# Altium PCB R2_EmberNet Pod Layout.PcbDoc (part 1 of 2) (continued)
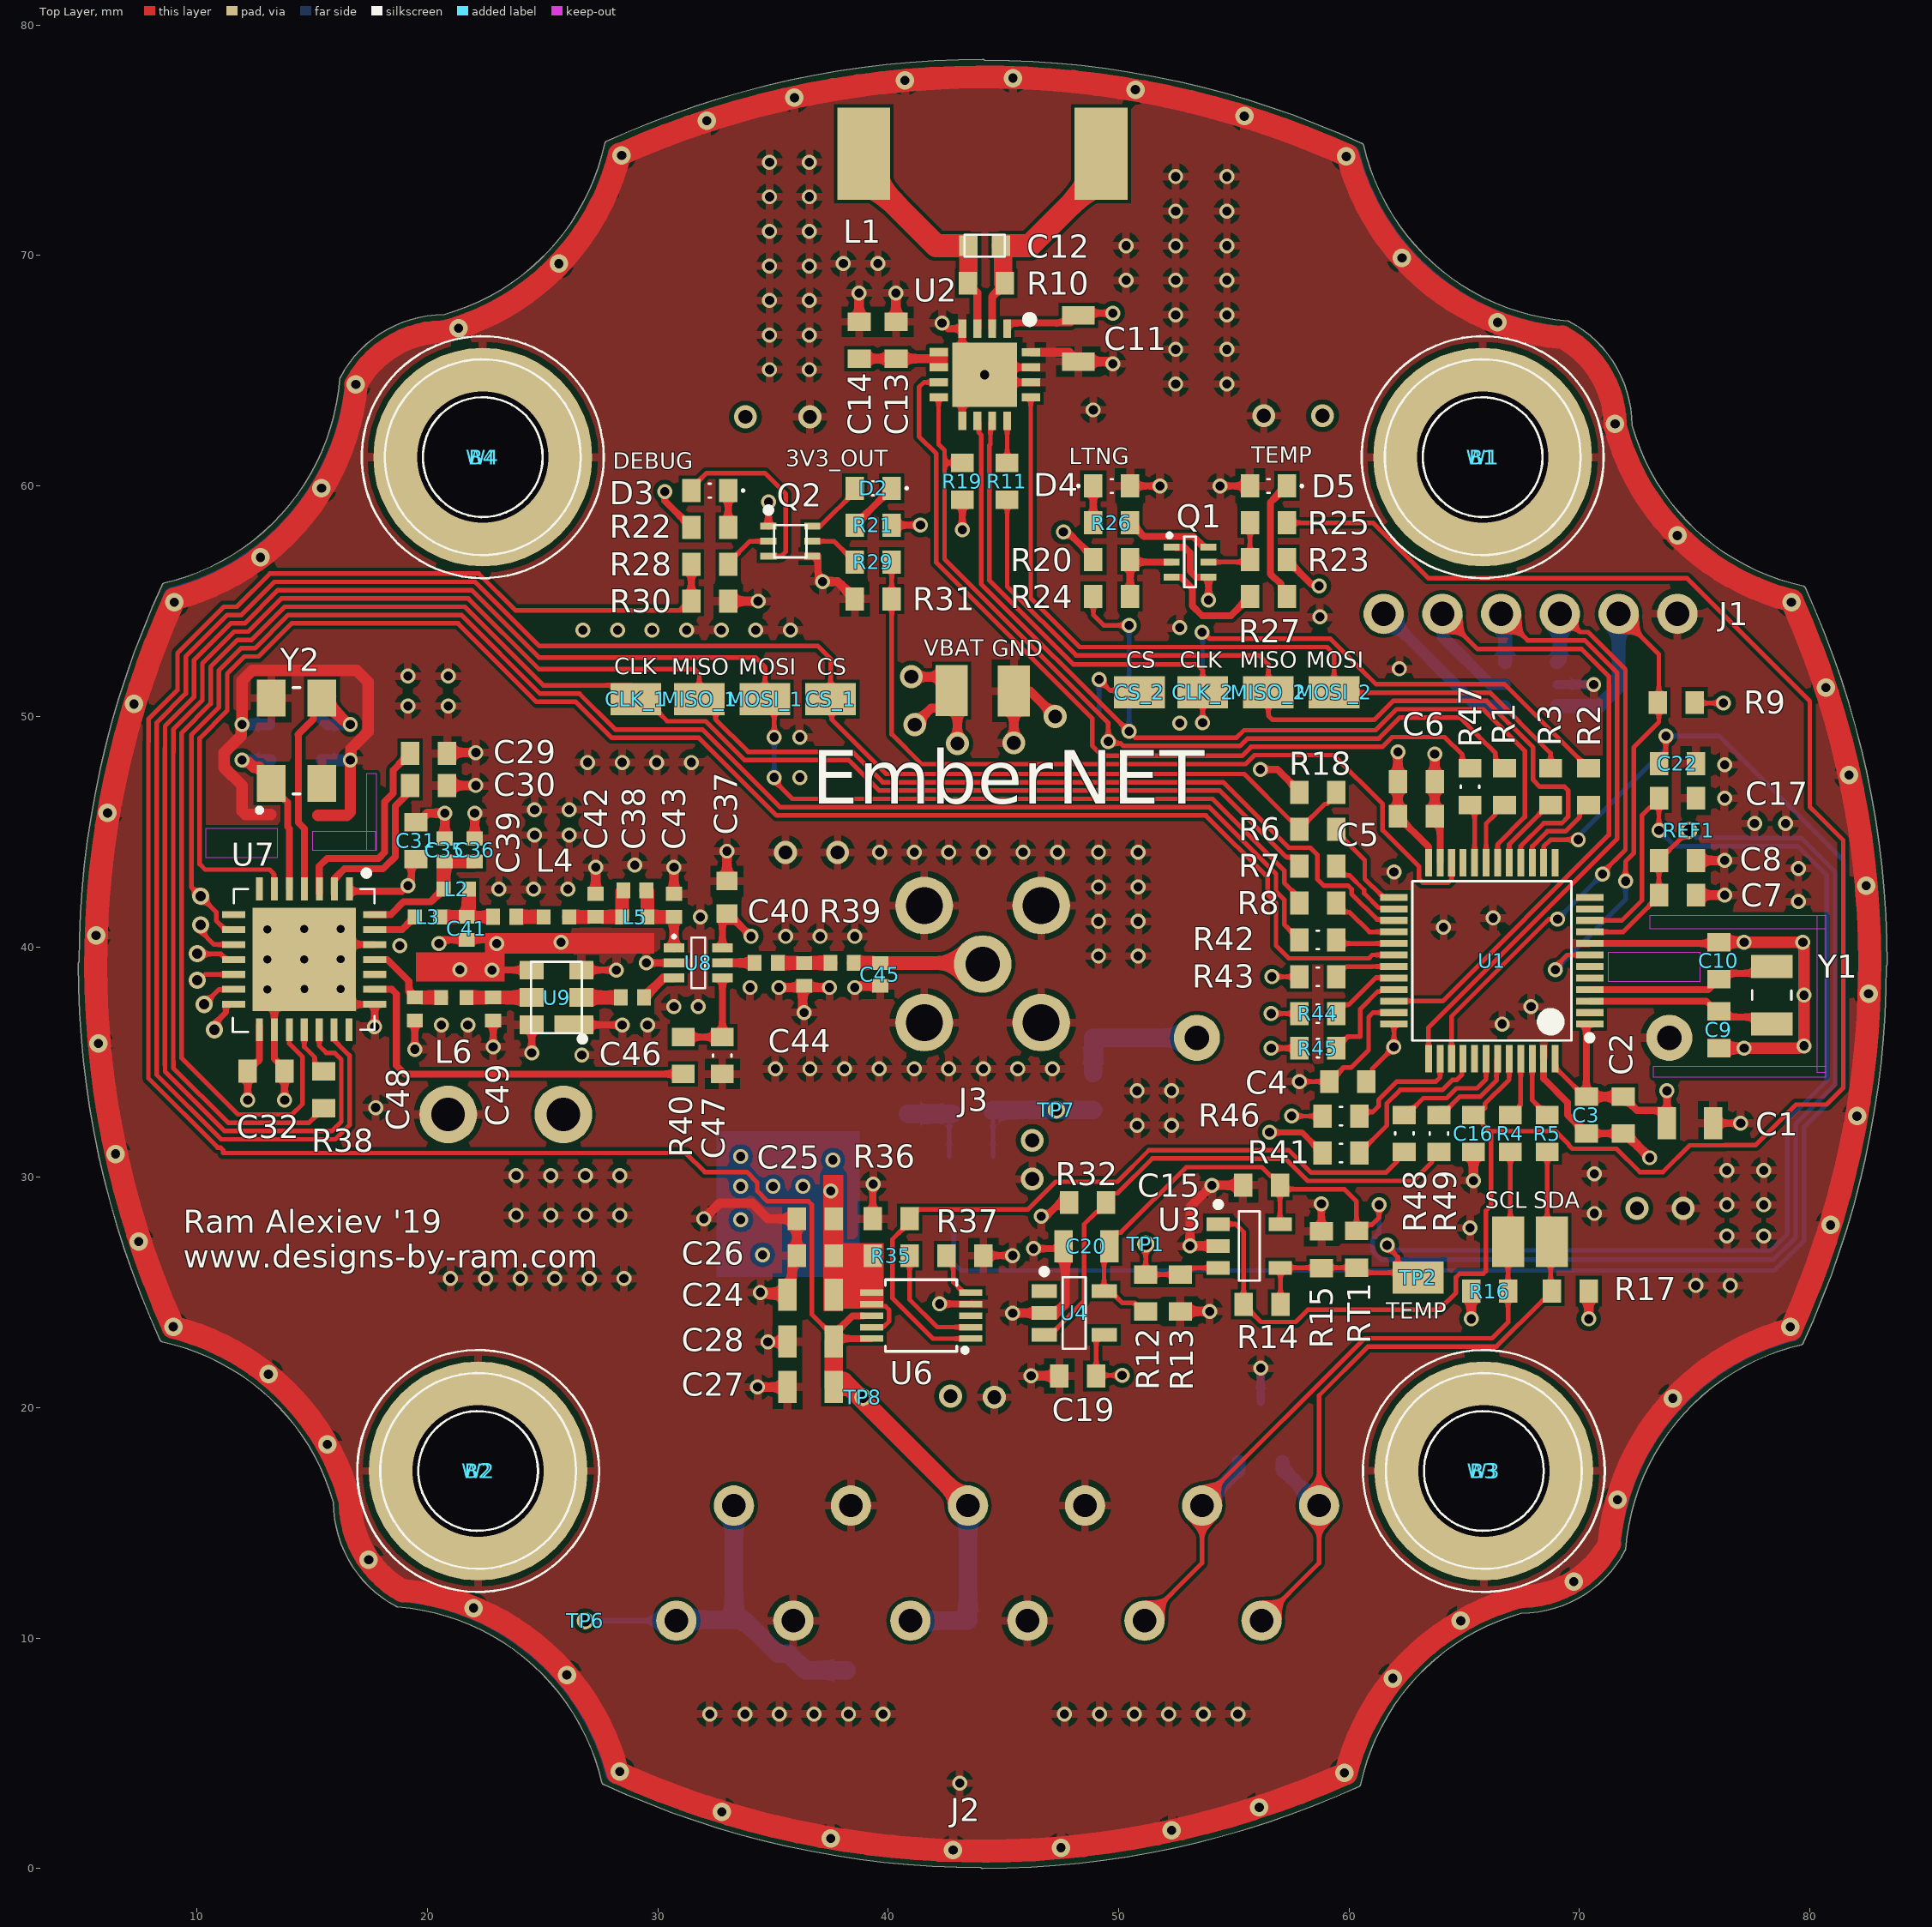
[diagram p0: Top Layer view]
## Components (designator, comment, footprint, x,y, rotation, side; value= is the part's Value field where it differs from the comment)
B1 "Screw" "M5 SHCP" 65.8,61.25 r0 top
B2 "Screw" "M5 SHCP" 22.2,17.25 r0 top
B3 "Screw" "M5 SHCP" 65.85,17.25 r0 top
B4 "Screw" "M5 SHCP" 22.4,61.25 r0 top
BAT1 "BH1000G" "24.5 COIN CELL BATTERY HOLDER" 53.4,36.05 r270 bottom
C1 "CL21A475KACLRNC" "0805 CAPACITOR" 74.8,32.345 r180 top value=4.7uF
C2 "885012106022" "0603 CAPACITOR" 71.9,32.695 r90 top value=1uF
C3 "885012206046" "0603 CAPACITOR" 70.3,32.695 r90 top value=100nF
C4 "885012206046" "0603 CAPACITOR" 59.95,34.15 r0 top value=100nF
C5 "885012206046" "0603 CAPACITOR" 62.918,45.665 r180 top value=100nF
C6 "885012206046" "0603 CAPACITOR" 62.918,47.165 r180 top value=100nF
C7 "885012106022" "0603 CAPACITOR" 74.25,42.245 r180 top value=1uF
C8 "885012206046" "0603 CAPACITOR" 74.25,43.745 r180 top value=100nF
C9 "CC0603CRNPO9BN6R8" "0603 CAPACITOR" 76.05,36.4 r90 top value=6.8pF
C10 "CC0603CRNPO9BN6R8" "0603 CAPACITOR" 76.05,39.4 r90 top value=6.8pF
C11 "TMK212BBJ106KG-T" "0805 Capacitor" 48.25,66.4 r90 top value=10uF
C12 "GRM1885C1H102JA01J" 1608[0603] 44.185,70.425 r0 top value=1nF
C13 "885012106022" "0603 CAPACITOR" 40.335,66.325 r270 top value=1uF
C14 "885012106022" "0603 CAPACITOR" 38.735,66.325 r270 top value=1uF
C15 "885012106022" "0603 CAPACITOR" 56.2,29.65 r0 top value=1uF
C16 "885012206046" "0603 CAPACITOR" 65.4,31.9 r90 top value=100nF
C17 "885012206046" "0603 CAPACITOR" 74.25,46.45 r180 top value=100nF
C18 "DB-5R5D105T" DB-5R5D105T 25.9,32.725 r180 bottom value=1F
C19 "885012206046" "0603 CAPACITOR" 48.225,21.378 r0 top value=100nF
C20 "GRM21BR61E106MA73L" "0805 CAPACITOR" 48.6,27 r0 top value=10uF
C21 "885012206046" "0603 CAPACITOR" 33.3,10 r90 bottom value=100nF
C22 "885012206046" "0603 CAPACITOR" 74.25,47.95 r180 top value=100nF
C23 "885012206046" "0603 CAPACITOR" 48.9,36.85 r270 bottom value=100nF
C24 "CL21A475KACLRNC" "0805 CAPACITOR" 36.627,24.892 r0 top value=4.7uF
C25 "885012206046" "0603 CAPACITOR" 36.827,28.192 r0 top value=100nF
C26 "885012206046" "0603 CAPACITOR" 36.827,26.592 r0 top value=100nF
C27 "GRM21BR61E106MA73L" "0805 CAPACITOR" 36.627,20.892 r0 top value=10uF
C28 "GRM21BR61E106MA73L" "0805 CAPACITOR" 36.627,22.866 r0 top value=10uF
C29 "885012206046" "0603 CAPACITOR" 20.05,48.4 r180 top value=100nF
C30 "885012206046" "0603 CAPACITOR" 20.05,47 r180 top value=100nF
C31 "885012206046" "0603 CAPACITOR" 19.5,44.6 r270 top value=100nF
C32 "885012206046" "0603 CAPACITOR" 13,34.6 r180 top value=100nF
C33 "CL10C120JB8NNNC" "0603 CAPACITOR" 15.4,48.9 r90 bottom value=12pF
C34 "CL10C120JB8NNNC" "0603 CAPACITOR" 13.2,48.9 r90 bottom value=12pF
C35 "GCM155R71E103KA37D" "0402 CAPACITOR" 20.75,44.2 r90 top value=10nF
C36 "GCM1555C1H470JA16D" "0402 CAPACITOR" 22.05,44.2 r270 top value=47pF
C37 "GRM1885C1H102JA01J" 1608[0603] 33,42.15 r270 top value=1nF
C38 "GJM1555C1H1R2CB01D" "0402 CAPACITOR" 29,42.45 r180 top value=1.2pF
C39 "GCM1555C1H220JA16D" "0402 CAPACITOR" 23.35,41.3 r0 top value=22pF
C40 "GCM1555C1H470JA16D" "0402 CAPACITOR" 34.7,39.3 r180 top value=47pF
C41 "GCM1555C1H8R2CA16D" "0402 CAPACITOR" 21.7,40.8 r90 top value=8.2pF
C42 "GCM1555C1H8R2CA16D" "0402 CAPACITOR" 27.3,41.8 r270 top value=8.2pF
C43 "GJM1555C1H3R3CB01D" "0402 CAPACITOR" 30.7,41.8 r270 top value=3.3pF
C44 "GJM1555C1H3R3CB01D" "0402 CAPACITOR" 36.35,38.8 r90 top value=3.3pF
C45 "GJM1555C1H3R3CB01D" "0402 CAPACITOR" 39.65,38.8 r90 top value=3.3pF
C46 "GCM1555C1H470JA16D" "0402 CAPACITOR" 28.9,37.8 r180 top value=47pF
C47 "GRM1885C1H102JA01J" "0603 Capacitor" 32.795,35.28 r90 top value=1nF
C48 "GJM1555C1H3R3CB01D" "0402 CAPACITOR" 19.45,37.3 r90 top value=3.3pF
C49 "GJM1555C1H3R3CB01D" "0402 CAPACITOR" 22.85,37.3 r90 top value=3.3pF
C50 "885012206046" "0603 CAPACITOR" 43.45,9.95 r90 bottom value=100nF
CLK_1 "5003" "5016 Test Point" 29.05,50.75 r270 top
CLK_2 "5003" "5016 Test Point" 53.65,51.05 r90 top
CS_1 "5003" "5016 Test Point" 37.5,50.75 r270 top
CS_2 "5003" "5016 Test Point" 50.9,51.05 r270 top
D1 "NSP4201MR6T1G" NSP4201MR6T1G 67.9,51.4 r180 bottom
D2 "TLMO1000-GS08" TLMO1000-GS08 39.35,59.9 r180 top
D3 "APHD1608LCGCK" APHD1608LCGCK 32.25,59.8 r180 top
D4 "TLMS1000-GS08" TLMS1000-GS08 49.7,60 r0 top
D5 "TLMS1000-GS08" TLMS1000-GS08 56.5,60 r180 top
D6 "PMEG2010ER,115" PMEG2010ER,115 38.2,10 r90 bottom
D7 "PMEG2010ER,115" PMEG2010ER,115 39.45,32.75 r180 bottom
D8 "ESDS312DBVR" "ESDS312DBVR - DUPLICATE" 55.864,18.95 r270 bottom
F1 "F0603E0R50FSTR" "0603 Capacitor" 35.45,31.95 r270 bottom
GND "5003" "5016 Test Point" 45.45,51.1 r180 top
J1 "SSW-106-01-T-S" PPTC061LFBN-RC 61.5,54.45 r0 top
J2 "1986775-6" 1986775-6 30.8,10.75 r0 top
J3 "5-1814832-1" 5-1814832-1 44.1,39.25 r0 top
L1 "MA5532" MA5532 39.585,72.875 r0 top value=100uH
L2 "LQW15AN33NJ00D" "0402 INDUCTOR" 21.25,42.5 r180 top value=33nH
L3 "LQW15AN2N7D00D" "0402 INDUCTOR" 20,41.3 r0 top value=2.7nH
L4 "LQW15AN5N6C10D" "0402 INDUCTOR" 25.6,41.3 r0 top value=5.6nH
L5 "LQW15AN5N6C10D" "0402 INDUCTOR" 29,41.3 r0 top value=5.6nH
L6 "LQG15HS10NJ02D" "0402 INDUCTOR" 21.15,37.8 r0 top value=10nH
MISO_1 "5003" "5016 Test Point" 31.8,50.75 r270 top
MISO_2 "5003" "5016 Test Point" 56.5,51.05 r90 top
MOSI_1 "5003" "5016 Test Point" 34.65,50.75 r270 top
MOSI_2 "5003" "5016 Test Point" 59.35,51.05 r90 top
Q1 "BSD 223P" "BSD 223P" 53.1,56.7 r0 top
Q2 "NTJD5121NT1G" NTJD5121NT1G 35.75,57.6 r0 top
R1 "CRCW060333R0FKEAC" "0603 RESISTOR" 66.75,46.95 r270 top value=33R
R2 "CRCW060333R0FKEAC" "0603 RESISTOR" 70.4,46.95 r90 top value=33R
R3 "CRCW060333R0FKEAC" "0603 RESISTOR" 68.75,46.95 r90 top value=33R
R4 "CRCW060333R0FKEAC" "0603 RESISTOR" 67,31.895 r90 top value=33R
R5 "CRCW060333R0FKEAC" "0603 RESISTOR" 68.6,31.895 r90 top value=33R
R6 "CRCW060333R0FKEAC" "0603 RESISTOR" 58.65,45.1 r0 top value=33R
R7 "CRCW060333R0FKEAC" "0603 RESISTOR" 58.65,43.495 r0 top value=33R
R8 "CRCW060333R0FKEAC" "0603 RESISTOR" 58.65,41.895 r0 top value=33R
R9 "RC0603FR-0710KL" "0603 RESISTOR" 74.2,50.6 r0 top value=10k
R10 "RC0603FR-0710KL" "0603 RESISTOR" 44.25,68.8 r0 top value=10k
R11 "CRCW060333R0FKEAC" "0603 RESISTOR" 45.15,60.2 r90 top value=33R
R12 "RC0603FR-0742K2L" "0603 RESISTOR" 51.175,24.978 r270 top value=42.2k
R13 "CR0603-FX-2003ELF" "0603 RESISTOR" 52.675,24.978 r90 top value=200k
R14 "RT0603FRE07220KL" "0603 RESISTOR" 56.225,24.478 r180 top value=220k
R15 "RC0603FR-07100KL" "0603 RESISTOR" 58.8,26.85 r270 top value=100k
R16 "ERJ-3EKF4701V" "0603 RESISTOR" 66.1,25.05 r180 top value=4K7
R17 "ERJ-3EKF4701V" "0603 RESISTOR" 69.6,25.05 r0 top value=4K7
R18 "RC0603FR-0710KL" "0603 RESISTOR" 58.65,46.7 r180 top value=10k
R19 "RC0603FR-0710KL" "0603 RESISTOR" 43.215,60.2 r270 top value=10k
R20 "RC0603FR-07100KL" "0603 RESISTOR" 49.7,56.8 r180 top value=100k
R21 "ESR03EZPJ102" "0603 RESISTOR" 39.35,58.3 r180 top value=1K0
R22 "ESR03EZPJ102" "0603 RESISTOR" 32.25,58.2 r0 top value=1K0
R23 "RC0603FR-07100KL" "0603 RESISTOR" 56.5,56.8 r0 top value=100k
R24 "ESR03EZPJ102" "0603 RESISTOR" 49.7,55.2 r180 top value=1K0
R25 "ESR03EZPJ102" "0603 RESISTOR" 56.5,58.4 r0 top value=1K0
R26 "ESR03EZPJ102" "0603 RESISTOR" 49.7,58.4 r180 top value=1K0
R27 "ESR03EZPJ102" "0603 RESISTOR" 56.5,55.2 r0 top value=1K0
R28 "ESR03EZPJ102" "0603 RESISTOR" 32.25,56.6 r180 top value=1K0
R29 "ESR03EZPJ102" "0603 RESISTOR" 39.35,56.7 r0 top value=1K0
R30 "RC0603FR-07100KL" "0603 RESISTOR" 32.25,55 r180 top value=100k
R31 "RC0603FR-07100KL" "0603 RESISTOR" 39.35,55.1 r0 top value=100k
R32 "RC0603FR-0710KL" "0603 RESISTOR" 48.65,28.9 r0 top value=10k
R33 "HRG3216Q-30R0-D-T1" "0603 RESISTOR" 43.597,32.766 r180 bottom value=30R
R34 "ESR03EZPJ102" "0603 Resistor" 48.9,33.715 r90 bottom value=1K0
R35 "RC0603FR-0720KL" "0603 RESISTOR" 40.127,26.592 r0 top value=20k
R36 "RC0603FR-0710KL" "0603 RESISTOR" 40.127,28.2 r0 top value=10k
R37 "ERJ-3GEYJ132V" "0603 RESISTOR" 43.327,26.592 r180 top value=1K3
R38 "CRCW060333R0FKEAC" "0603 RESISTOR" 15.5,33.8 r90 top value=33R
R39 "CRCW04020000Z0EDC" "0402 CAPACITOR" 38,39.3 r180 top value=0R
R40 "ESR03EZPJ102" "0603 RESISTOR" 31.1,35.28 r270 top value=1K0
R41 "CRCW060333R0FKEAC" "0603 Resistor" 59.65,31.05 r0 top value=33R
R42 "CRCW060333R0FKEAC" "0603 Resistor" 58.65,40.3 r180 top value=33R
R43 "CRCW060333R0FKEAC" "0603 Resistor" 58.65,38.7 r180 top value=33R
R44 "CRCW060333R0FKEAC" "0603 Resistor" 58.65,37.1 r180 top value=33R
R45 "CRCW060333R0FKEAC" "0603 Resistor" 58.65,35.6 r180 top value=33R
R46 "CRCW060333R0FKEAC" "0603 Resistor" 59.65,32.65 r180 top value=33R
R47 "CRCW060333R0FKEAC" "0603 Resistor" 65.25,46.95 r270 top value=33R
R48 "CRCW060333R0FKEAC" "0603 Resistor" 62.4,31.9 r90 top value=33R
R49 "CRCW060333R0FKEAC" "0603 Resistor" 63.9,31.9 r90 top value=33R
REF1 "Via" "VIA TEST POINT" 74.75,45.05 r90 top
RT1 "NTCG164KF104FTDS" "0603 RESISTOR" 60.325,26.878 r90 top
SCL "5003" "5016 Test Point" 66.9,27.192 r180 top (schematic designator SCL1)
SDA "5003" "5016 Test Point" 68.8,27.2 r180 top (schematic designator SDA1)
TP1 "Via" "VIA TEST POINT" 51.175,27.1 r90 top
TP2 "5003" "5016 Test Point" 63,25.65 r90 top
TP6 "Via" "VIA TEST POINT" 26.85,10.75 r180 top
TP7 "Via" "VIA TEST POINT" 47.3,32.915 r270 top
TP8 "Via" "VIA TEST POINT" 38.9,20.45 r270 top
U1 "STM32L433CCT6" STM32L433CCT6 66.2,39.395 r180 top
U2 "AS3935" AS3935 44.185,64.825 r270 top
U3 "TS881ILT" TS881ILT 55.67,27.016 r0 top
U4 "LM4120IM5-3.0/NOPB" LM4120IM5-3.0/NOPB 48.068,24.108 r0 top
U5 "MAX9938WEUK+" MAX9938WEUK+ 43.597,29.516 r90 bottom
U6 "MIC2041-1YMM" MIC2041 41.427,23.992 r180 top
U7 "SX1272IMLTRT" SX1272IMLTRT 14.65,39.45 r270 top
U8 "PE4259-63" PE4259-63 31.75,39.3 r0 top
U9 "SF2098E" SF2098E 25.6,37.8 r180 top
VBAT "5003" "5016 Test Point" 42.75,51.12 r0 top (schematic designator S_VBAT1)
W1 "Washer" "M5 BELLEVILLE WASHER" 65.8,61.25 r0 top
W2 "Washer" "M5 BELLEVILLE WASHER" 22.2,17.25 r0 top
W3 "Washer" "M5 BELLEVILLE WASHER" 65.85,17.25 r0 top
W4 "Washer" "M5 BELLEVILLE WASHER" 22.4,61.25 r0 top
Y1 "NX3215SA-32.768K" NX3215SA-32.768K 78.35,37.9 r270 top
Y2 "ECS-320-10-30B-CKM-TR" ECS-320-10-30B-CKM-TR 14.9,49.8 r90 top

## Footprints (in the part's own frame and the unit in brackets; to place one, negate y for a bottom-side part, rotate by r counter-clockwise, add the part's x,y. Pads: shape width x height; smd on the part's side, far side on the other; paste and mask are expansions set on the pad)
5-1814832-1 [mm] "SMA 50ohm antenna connector"
  round 2.5 hole 1.5: 1(0,0)
  round 2.5 hole 1.6: 2(-2.54,2.54) 3(2.54,2.54) 4(-2.54,-2.54) 5(2.54,-2.54)
  body extent -5.8,-3.22 3.2,3.18, height 9.5
"24.5 COIN CELL BATTERY HOLDER" [mm] "BH1000G MPG"
  round 2 hole 1.07: 1(0,0) 2(0,-20.5)
  silkscreen extent 2.46,-20.67 7.54,2.41, body extent -13.85,-24.1 13.85,3.6, height 8.38
"0402 CAPACITOR" [mm] "Chip Capacitor, 2-Leads, Body 1.00x0.55mm, IPC Medium Density"
  rect 0.6x0.7 smd: 1(-0.5,0) 2(0.5,0)
  body extent -0.55,-0.3 0.55,0.3, height 0.6
"0402 INDUCTOR" [mm] "Chip Inductor, 2-Leads, Body 1.00x0.60mm, IPC Medium Density"
  rect 0.6x0.65 smd: 1(-0.55,0) 2(0.55,0)
  body extent -0.55,-0.35 0.55,0.35, height 0.6
"0603 CAPACITOR" [mm] "Chip Capacitor, 2-Leads, Body 1.55x0.85mm, IPC Medium Density"
  rect 0.8x1 smd: 1(-0.8,0) 2(0.8,0)
  body extent -0.8,-0.45 0.8,0.45, height 0.45
"0603 Capacitor" [mm] "Chip Capacitor, 2-Leads, Body 1.55x0.85mm, IPC Medium Density"
  rect 0.8x1 smd: 1(-0.8,0) 2(0.8,0)
  silkscreen extent -0.05,-0.4 0.05,0.4, body extent -0.8,-0.45 0.8,0.45, height 0.45
"0603 RESISTOR" [mm] "0603 Resistor"
  rect 0.8x1 smd: 1(-0.8,0) 2(0.8,0)
  body extent -0.8,-0.45 0.8,0.45, height 0.45
"0603 Resistor" [mm] "0603 Resistor"
  rect 0.8x1 smd: 1(-0.8,0) 2(0.8,0)
  silkscreen extent -0.05,-0.4 0.05,0.4, body extent -0.8,-0.45 0.8,0.45, height 0.45
"0805 CAPACITOR" [mm] "0805 Capacitor"
  rect 0.8x1.4 smd: 1(-1,0) 2(1,0)
  body extent -1.1,-0.45 1.1,0.45, height 0.45
"0805 Capacitor" [mm] "0805 Capacitor"
  rect 0.8x1.4 smd: 1(-1,0) 2(1,0)
  body extent -1.1,-0.45 1.1,0.45, height 0.45
1608[0603] [mm] "Chip Capacitor, Body 1.6x0.8mm, IPC High Density"
  rect 0.8x0.9 smd: 1(-0.7,0) 2(0.7,0)
  silkscreen extent -0.87,-0.47 0.88,0.48, body extent -0.87,-0.48 0.87,0.48, height 1.3
"5016 Test Point" [mm] "Test Point"
  rect 1.4x2.2 smd: 1(0,0)
  body extent -0.6,-0.96 0.6,1, height 1.45
1986775-6 [mm] "6-position terminal block"
  round 1.75 hole 1.02: 1(0,0) 1(2.5,5) 2(5.08,0) 2(7.58,5) 3(10.16,0) 3(12.66,5) 4(15.24,0) 4(17.74,5) 5(20.32,0) 5(22.82,5) 6(25.4,0) 6(27.9,5)
  body extent -2.72,-6.54 29.26,8.26, height 14.32
APHD1608LCGCK [mm] "Chip Green LED , 2-Leads, Body 1.60x0.80mm, IPC Medium Density"
  rect 0.8x1 smd: 1(-0.8,0) 2(0.8,0)
  silkscreen extent -1.5,-0.3 0.05,0.3, body extent -0.85,-0.45 0.85,0.45, height 0.65
AS3935 [mm] "QFN16"
  rect 0.8x0.35 smd: 1(-2,0.975) 2(-2,0.325) 3(-2,-0.325) 4(-2,-0.975) 9(2,-0.975) 10(2,-0.325) 11(2,0.325) 12(2,0.975)
  rect 0.35x0.8 smd: 5(-0.975,-2) 6(-0.325,-2) 7(0.325,-2) 8(0.975,-2) 13(0.975,2) 14(0.325,2) 15(-0.325,2) 16(-0.975,2)
  rrect0% 2.8x2.8 smd: 17(0,0)
  silkscreen extent -2.56,1.79 -2.24,2.11
"BSD 223P" [mm] "SOT23, 6-Leads, Body 2.00x2.10mm, Pitch 0.65mm, IPC Medium Density"
  rect 0.7x0.3 smd: 1(-0.8,0.65) 2(-0.8,0) 3(-0.8,-0.65) 4(0.8,-0.65) 5(0.8,0) 6(0.8,0.65)
  silkscreen extent -0.95,-1.1 0.25,1.2, body extent -0.63,-1.1 0.63,1.1, height 1
DB-5R5D105T [mm]
  round 2.5 hole 1.45: 1(0,0) 2(5,0)
  silkscreen extent -8.5,-11 13.5,11, body extent -8.25,-10.75 13.25,10.75, height 8
ECS-320-10-30B-CKM-TR [mm] "32MHz Crystal, CL = 10pF, ESR = 25ohm"
  rect 1.6x1.25 smd: 1(-2.71,1.68) 2(0.99,1.68) 3(0.99,-0.52) 4(-2.71,-0.52)
  silkscreen extent -3.97,0.43 1.45,2.29, body extent -2.96,-1 1.24,2.2, height 0.55
"ESDS312DBVR - DUPLICATE" [mm]
  rect 1.1x0.6 smd: 1(-1.3,0.65) 2(-1.3,-0.3) 3(-1.3,-1.25) 4(1.3,-1.25) 5(1.3,0.65)
  silkscreen extent -1.13,-1.68 0.25,1.32, body extent -0.87,-1.8 0.88,1.2, height 1.45
LM4120IM5-3.0/NOPB [mm] "SOT23, 5-Leads, Body 2.90x2.80mm, Pitch 0.95mm, IPC Medium Density"
  rect 1.1x0.6 smd: 1(-1.3,0.95) 2(-1.3,0) 3(-1.3,-0.95) 4(1.3,-0.95) 5(1.3,0.95)
  silkscreen extent -1.42,-1.55 0.5,1.92, body extent -0.87,-1.52 0.87,1.53, height 1.45
"M5 BELLEVILLE WASHER" [mm] "96445K204"
  silkscreen extent -5.25,-5.25 5.25,5.25, body extent -5,-5 5,5, height 1.35
"M5 SHCP" [mm] "91290A254"
  round 9.5 hole 5.7: 1(0,0)
  silkscreen extent -4.25,-4.25 4.25,4.25, body extent -4.25,-4.25 4.25,4.25, height 5.8
MA5532 [mm] "100uH 500kHz antenna"
  rect 2.3x4 smd paste+0 mask+0.2: 1(-0.65,1.55) 2(9.65,1.55)
  body extent -1.3,-0.2 10.4,3.3, height 0.25
MAX9938WEUK+ [mm] "SOT23, 6-Leads, Body 2.90x2.80mm, Pitch 0.95mm, IPC Medium Density"
  rect 1x0.6 smd: 1(-1.375,0.95) 2(-1.375,0) 3(-1.375,-0.95) 4(1.375,-0.95) 5(1.375,0.95)
  silkscreen extent -1.5,-1.5 0.5,1.93, body extent -0.88,-1.5 0.87,1.5, height 1.45
MIC2041 [mm]
  rect 1x0.28 smd: 1(-2.15,1) 2(-2.15,0.5) 3(-2.15,0) 4(-2.15,-0.5) 5(-2.15,-1) 6(2.15,-1) 7(2.15,-0.5) 8(2.15,0) 9(2.15,0.5) 10(2.15,1)
  silkscreen extent -2,-1.55 1.55,1.6, body extent -1.5,-1.5 4.25,2.29, height 0.25
NSP4201MR6T1G [mm] "SOT23, 6-Leads, Body 3.00x2.75mm, Pitch 0.95mm, IPC Medium Density"
  rect 1.2x0.6 smd: 1(-1.125,0.95) 2(-1.125,0) 3(-1.125,-0.95) 4(1.125,-0.95) 5(1.125,0) 6(1.125,0.95)
  silkscreen extent -1.25,-1.55 1.1,1.92, body extent -1.5,-1.55 1.5,1.55, height 1
NTJD5121NT1G [mm] "SOT23, 6-Leads, Body 1.25x2.10mm, Pitch 0.65mm, IPC Medium Density"
  rect 0.7x0.3 smd: 1(-0.95,0.65) 2(-0.95,0) 3(-0.95,-0.65) 4(0.95,-0.65) 5(0.95,0) 6(0.95,0.65)
  silkscreen extent -1.07,-0.7 0.7,1.47, body extent -1.1,-0.67 1.1,0.68, height 1.1
NX3215SA-32.768K [mm]
  rect 1x1.8 smd: 1(-1.25,0) 2(1.25,0)
  silkscreen extent -0.2,-0.85 0.2,0.85, body extent -1.65,-0.75 1.6,0.8, height 0.55
PE4259-63 [mm] "SOT23, 6-Leads, Body 2.05x2.10mm, Pitch 0.65mm, IPC Medium Density"
  rect 0.9x0.4 smd: 1(-1.05,0.65) 2(-1.05,0) 3(-1.05,-0.65) 4(1.05,-0.65) 5(1.05,0) 6(1.05,0.65)
  silkscreen extent -1.05,-1.1 0.3,1.15, body extent -0.67,-1.07 0.67,1.08, height 1
PMEG2010ER,115 [mm] "SODFL, 2-Leads, Body 1.70x3.50mm, IPC Medium Density"
  rect 1.1x1.1 smd: 1(-1.4,0) 2(1.4,0)
  silkscreen extent -1.9,0.8 -1.8,0.9, body extent -1.4,-0.95 1.4,0.95, height 1.1
PPTC061LFBN-RC [mm] "6-position 100mil header"
  round 1.75 hole 1.05: 1(0,0) 2(2.55,0) 3(5.1,0) 4(7.65,0) 5(10.2,0) 6(12.75,0)
  body extent -1.49,-1.25 14.29,1.3, height 8.5
SF2098E [mm] "915MHz SAW filter"
  rect 1.7x0.81 smd: 1(-0.76,1.19)
  rect 1.05x0.81 smd: 2(-1.085,0) 3(-1.085,-1.19) 4(1.075,-1.19) 5(1.075,0) 6(1.075,1.19)
  silkscreen extent -1.25,-1.55 1.1,1.92, body extent -1.5,-1.53 1.5,1.57, height 1.25
STM32L433CCT6 [mm] "TSQFP, 48-Leads, Body 10.00x10.00mm, Pitch 0.50mm, IPC Medium Density"
  rect 1.2x0.3 smd: 1(-4.25,2.75) 2(-4.25,2.25) 3(-4.25,1.75) 4(-4.25,1.25) 5(-4.25,0.75) 6(-4.25,0.25) 7(-4.25,-0.25) 8(-4.25,-0.75) 9(-4.25,-1.25) 10(-4.25,-1.75) 11(-4.25,-2.25) 12(-4.25,-2.75) 25(4.25,-2.75) 26(4.25,-2.25) 27(4.25,-1.75) 28(4.25,-1.25) 29(4.25,-0.75) 30(4.25,-0.25) 31(4.25,0.25) 32(4.25,0.75) 33(4.25,1.25) 34(4.25,1.75) 35(4.25,2.25) 36(4.25,2.75)
  rect 0.3x1.2 smd: 13(-2.75,-4.25) 14(-2.25,-4.25) 15(-1.75,-4.25) 16(-1.25,-4.25) 17(-0.75,-4.25) 18(-0.25,-4.25) 19(0.25,-4.25) 20(0.75,-4.25) 21(1.25,-4.25) 22(1.75,-4.25) 23(2.25,-4.25) 24(2.75,-4.25) 37(2.75,4.25) 38(2.25,4.25) 39(1.75,4.25) 40(1.25,4.25) 41(0.75,4.25) 42(0.25,4.25) 43(-0.25,4.25) 44(-0.75,4.25) 45(-1.25,4.25) 46(-1.75,4.25) 47(-2.25,4.25) 48(-2.75,4.25)
  silkscreen extent -4.37,-3.45 3.45,3.46, body extent -3.5,-3.5 3.5,3.5, height 1.6
SX1272IMLTRT [mm] "PQFN, 28-Leads, Body 6.00x6.00mm, Pitch 0.65mm, Thermal Pad 5.00x5.00mm, IPC Medium Density"
  rect 1x0.3 smd: 1(-3.06,1.96) 2(-3.06,1.31) 3(-3.06,0.66) 4(-3.06,0.01) 5(-3.06,-0.64) 6(-3.06,-1.29) 7(-3.06,-1.94) 15(3.05,-1.95) 16(3.05,-1.3) 17(3.05,-0.65) 18(3.05,0) 19(3.05,0.65) 20(3.05,1.3) 21(3.05,1.95)
  rect 0.3x1 smd: 8(-1.95,-3.06) 9(-1.3,-3.06) 10(-0.65,-3.06) 11(0,-3.06) 12(0.65,-3.06) 13(1.3,-3.06) 14(1.95,-3.06) 22(1.95,3.06) 23(1.3,3.06) 24(0.65,3.06) 25(0,3.06) 26(-0.65,3.06) 27(-1.3,3.06) 28(-1.95,3.06)
  rect 4.5x4.5 smd: 29(0,0)
  silkscreen extent -3.87,-3.1 3.14,3.05, body extent -3.05,-3.05 3.05,3.05, height 1
TLMO1000-GS08 [mm] "Chip Orange LED , 2-Leads, Body 1.60x0.80mm, IPC Medium Density"
  rect 0.8x1 smd: 1(-0.8,0) 2(0.8,0)
  silkscreen extent -1.5,-0.3 0.05,0.3, body extent -0.85,-0.45 0.85,0.45, height 0.65
TLMS1000-GS08 [mm] "Chip Red LED , 2-Leads, Body 1.60x0.80mm, IPC Medium Density"
  rect 0.8x1 smd: 1(-0.8,0) 2(0.8,0)
  silkscreen extent -1.5,-0.3 0.05,0.3, body extent -0.85,-0.45 0.85,0.45, height 0.65
TS881ILT [mm] "SOT23, 5-Leads, Body 2.90x2.80mm, Pitch 0.95mm, IPC Medium Density"
  rect 1x0.6 smd: 1(-1.35,0.95) 2(-1.35,0) 3(-1.35,-0.95) 4(1.35,-0.95) 5(1.35,0.95)
  silkscreen extent -1.47,-1.5 0.45,1.92, body extent -0.85,-1.5 0.85,1.5, height 1.45
"VIA TEST POINT" [mm]
  round 0.75 hole 0.5: 1(0,0)

## Part data
BAT1: library part "Coin Cell Battery"
C1 C2 C3 C4 C5 C6 C7 C8 C11 C12 C13 C14 C15 C16 C17 C19 C20 C21 C22 C23 C24 C25 C26 C27 C28 C29 C30 C31 C32 C35 C36 C37 C38 C39 C40 C41 C42 C43 C44 C45 C46 C47 C48 C49 C50: library part "Cap Semi", "Capacitor (Semiconductor SIM Model)", LatestRevisionDate=29-May-2009, LatestRevisionNote="IPC-7351 Footprint Added.", PackageDescription="Chip Capacitor", PackageReference=C1206, Published=8-Jun-2000, Publisher="Altium Limited"
C9 C10 C33 C34: library part "Cap Semi", "GQM1885C2A6R8CB01D", LatestRevisionDate=29-May-2009, LatestRevisionNote="IPC-7351 Footprint Added.", PackageDescription="Chip Capacitor", PackageReference=C1206, Published=8-Jun-2000, Publisher="Altium Limited"
  C9 C33 C34: Size=0603
C18: library part "Cap Pol1", "Polarized Capacitor (Radial)", LatestRevisionDate=17-Jul-2002, LatestRevisionNote="Re-released for DXP Platform.", PackageDescription="Polarized Capacitor (Radial); 2 Leads", PackageReference=RB7.6-15, Published=8-Jun-2000, Publisher="Altium Limited"
CLK_1 CLK_2 CS_1 CS_2 GND MISO_1 MISO_2 MOSI_1 MOSI_2 SCL SDA TP2 VBAT: library part "Hook Test Point", "Hook-type test point"
D1: "5V TVS"
D2 D3 D4 D5: library part LED1, "Typical RED GaAs LED", LatestRevisionDate=08-Jul-2005, LatestRevisionNote="Mech Layer 1 removed.", PackageDescription="LED; 2 Leads", PackageReference=LED-1, Published=8-Jun-2000, Publisher="Altium Limited"
D6 D7: library part Diode, "Default Diode", Code_JEDEC=DO-214-AB, LatestRevisionDate=17-Jul-2002, LatestRevisionNote="Re-released for DXP Platform.", PackageDescription="DO-214-AB/SMC; 2 C-Bend Leads; Body 7.9 x 5.9 mm, inc. leads (LxW)", PackageReference=SMC, PackageVersion=Sep-1996, Published=8-Jun-2000, Publisher="Altium Limited"
F1: library part "Fuse 2", "Fuse", LatestRevisionDate=17-Jul-2002, LatestRevisionNote="Re-released for DXP Platform.", PackageDescription="Thru-Hole; 2 Leads", PackageReference=PIN-W2/E2.8, Published=8-Jun-2000, Publisher="Altium Limited"
J1: library part PPTC061LFBN-RC, "6-position 100mil header with female sockets"
J3: library part "SMA Antenna Connector", "50-ohm SMA Antenna connector"
L1 L2 L3 L4 L5 L6: library part Inductor, "Inductor", Code_IEC=1005, Code_JEITA=0402, LatestRevisionDate=29-May-2009, LatestRevisionNote="IPC-7351 Footprint Added.", PackageDescription="Chip Inductor", PackageReference=0402-A, Published=8-Jun-2000, Publisher="Altium Limited"
Q1: "2- part logic P-FET"
Q2: "2-part N-Channel MOSFET"
R1 R2 R3 R4 R5 R6 R7 R8 R9 R10 R11 R12 R13 R14 R15 R16 R17 R18 R19 R20 R21 R22 R23 R24 R25 R26 R27 R28 R29 R30 R31 R32 R34 R35 R36 R37 R38 R39 R40 R41 R42 R43 R44 R45 R46 R47 R48 R49: library part Res3, "Resistor", LatestRevisionDate=29-May-2009, LatestRevisionNote="IPC-7351 Footprint Added.", PackageDescription="Chip Resistor", PackageReference=J1-0603, Published=8-Jun-2000, Publisher="Altium Limited"
R33: library part Res3, "Current Sense Resistor", LatestRevisionDate=29-May-2009, LatestRevisionNote="IPC-7351 Footprint Added.", PackageDescription="Chip Resistor", PackageReference=J1-0603, Published=8-Jun-2000, Publisher="Altium Limited"
REF1 TP1 TP6 TP7 TP8: library part "Via Test Point", "Test point in the form of a via"
RT1: library part "Res Thermal", "Thermistor", Value @25C=100k, Code_IPC=RESC2012, LatestRevisionDate=29-May-2009, LatestRevisionNote="IPC-7351 Footprint Added.", PackageDescription="Chip Resistor 0805 Case Size", PackageReference=6-0805, PackageVersion=Mar-2003, Published=24-Mar-1999, Publisher="Altium Limited"
U1: "MCU 32-Bit STM32L433xx ARM Cortex M4 RISC 256KB Flash 1.8V/2.7V/3.3V 48-Pin LQFP Tray", Package="LQFP-48 STMicroelectronics", Digi-Key_Part_Number=497-16579-ND, Digi-Key_Purchase_URL=https://www.digikey.com/product-detail/en/stmicroelectronics/STM32L433CCT6/497-16579-ND/6132750?utm_source=snapeda&utm_medium=aggregator&utm_campaign=symbol, MF=STMicroelectronics, MP=STM32L433CCT6, SnapEDA_Link=https://www.snapeda.com/parts/STM32L433CCT6/STMicroelectronics/view-part/?ref=snap
U2: "Lightning Sensor"
U3: "Low-power comparator"
U4: "3V Voltage reference IC"
U5: "Current sense amplifier, 200V/V"
U6: library part MIC2041, "Low-power switch with feedback control"
U7: "SX1272 Series 860-1020 MHz 300 kbps Low Power Long Range Transceiver - QFN-28EP", Package="VQFN-28 Semtech", Supplier Part Number 1=SX1272IMLTRTDKR-ND, Availability=Unavailable, MF=Semtech, MP=SX1272IMLTRT, Price=None, SnapEDA_Link=https://www.snapeda.com/parts/SX1272IMLTRT/Semtech%20Corporation/view-part/?ref=snap, Supplier 1=Digi-Key
U8: "RF Switch"
U9: "SAW Filter 915MHz 50 Ohm SMD 6-Pin Case-SM3030 T/R", Package="SMD-6 Murata", Availability=Unavailable, MF="Murata Electronics", MP=SF2098E, Price=None, SnapEDA_Link=https://www.snapeda.com/parts/SF2098E/Murata%20Electronics%20North%20America/view-part/?ref=snap
Y1: library part XTAL, "-STD-MUA-14, 6pF", LatestRevisionDate=17-Jul-2002, LatestRevisionNote="Re-released for DXP Platform.", PackageDescription="Crystal, Thru-Hole; 2 Leads; Body 3.1 x 8.2 mm (Dia.xH)", PackageReference=R38, Published=8-Jun-2000, Publisher="Altium Limited"
Y2: "32MHz, ESR 25ohm, CL 10pF, fd 10ppm 4SMD"

## Via types
v1: diameter 0.65, hole 0.397, Top Layer to Bottom Layer, 266 vias
v2: diameter 0.8, hole 0.4, Top Layer to Bottom Layer, 51 vias
v3: diameter 1, hole 0.6, Top Layer to Bottom Layer, 17 vias
v4: diameter 0.7, hole 0.35, Top Layer to Bottom Layer, 9 vias
v5: diameter 0.75, hole 0.45, Top Layer to Bottom Layer, 6 vias

## Nets (pads, with @x,y where several pads share a name; then routed paths per layer and width w, separated by ;. In a path a pad name is that pad's centre, name@x,y a point inside that pad or via, vN(x,y) a via of type N, cw(c..) or ccw(c..) an arc to the next point about the centre after c; other vN are vias at no path point)
3V0_REF: C7.2 C8.2 C15.2 C20.2 R12.2 REF1.1 RT1.2 U1.9 U3.5 U4.5 | length 73.7
  Top Layer w0.2: R12.2@51.175,24.178 51.075,24.178 50.703,24.55 50.15,24.55 49.751,24.949 49.476,24.949 U4.5@49.368,25.058 49.368,26.768 C20.2@49.6,27 49.6,27.15 49.9,27.45 49.9,27.6 50.1,27.6 52.935,30.435 56.215,30.435 56.6,30.05 56.7,30.05 57,29.75 C15.2@57,29.65 ; U3.5@57.02,27.966 57,27.986 C15.2@57,29.65 ; v1(61.3,28.8) 61.3,28.242 60.992,27.935 60.582,27.935 RT1.2@60.325,27.678 60.325,28.95 59.795,29.48 57.17,29.48 C15.2@57,29.65 ; U1.9@70.45,40.645 71.9,40.645 C7.2@73.1,41.845 ; 73.05,41.845 C7.2@73.1,41.845 ; REF1.1@74.75,45.05 73.45,43.75 C8.2@73.45,43.745 C7.2@73.45,42.245 73.45,42.145 73.15,41.845 C7.2@73.1,41.845
  Bottom Layer w0.2: v1(61.3,28.8) 61.3,27.584 61.025,27.309 61.025,26.791 61.391,26.425 78.417,26.425 79.383,27.391 79.383,32.317 81.095,34.028 81.095,43.255 79.625,44.725 77.341,44.725 77.336,44.73 75.07,44.73 REF1.1@74.75,45.05
3V3_OUT: C27.2 C28.2 C50.2 J2.3 R28.2 R30.2 TP8.1 U6.8 U6.10 | length 103.6
  Top Layer w0.2: R30.2@31.45,55 31.45,55.1 30.955,54.605 23.814,54.605 22.219,56.2 13.163,56.2 11.723,54.76 11.16,54.76 9.15,52.75 9.15,51.142 7.89,49.882 7.89,48.91 7.885,48.905 7.885,34.297 10.897,31.285 11.015,31.285 11.132,31.168 11.132,31.05 31.21,31.05 32.035,30.225 33.859,30.225 34.311,29.773 34.311,29.405 34.764,28.952 36.534,28.952 36.687,28.8 36.687,24.032 C28.2@37.627,23.092 ; C27.2@37.627,20.892 C27.2@37.627,20.9
  Top Layer w0.3: R30.2@31.45,55.1 R28.2@31.45,56.6 ; C28.2@37.627,22.866 37.627,23.092 37.627,23.166 38.443,23.982 U6.8@38.927,23.982 ; C28.2@37.753,22.992 U6.10@39.277,22.992
  Top Layer w0.8: C28.2@37.627,22.866 37.627,20.9 38.06,20.9 ; 38.06,21.15 J2.3@43.46,15.75
  Bottom Layer w0.8: J2.3@40.96,10.75 C50.2@43.45,10.75 43.46,10.75 J2.3@43.46,15.75
GND: B1.1 B2.1 B3.1 B4.1 BAT1.2 C1.1 C2.1 C3.1 C4.1 C5.1 C6.1 C7.1 C8.1 C9.1 C10.2 C11.1 C13.1 C14.1 C15.1 C16.1 C17.1 C18.2 C19.1 C20.1 C21.1 C22.1 C23.1 C24.1 C25.1 C26.1 C27.1 C28.1 C29.1 C30.1 C31.1 C32.1 C33.1 C34.2 C35.2 C36.1 C37.1 C41.1 C42.1 C43.1 C44.1 C45.1 C47.1 C48.1 C49.1 C50.1 D1.2 D4.2 D5.2 D8.2 GND.1 J1.6 J2.2 J2.4 J3.2 J3.3 J3.4 J3.5 Q2.1 Q2.4 R13.1 R15.1 R30.1 R31.1 R32.1 R36.1 R37.1 U1.8 U1.23 U1.35 U1.47 U2.4 U2.9 U2.14 U2.15 U2.16 U2.17 U3.2 U4.2 U5.1 U5.2 U6.4 U7.16 U7.22 U7.26 U7.29 U8.2 U9.1 U9.3 U9.4 U9.6 Y2.2 Y2.4 | length 661.2
  Top Layer w0.2: v1(57.85,34.15) C4.1@59.15,34.15 ; C4.1@59.5,34.5 59.758,34.758 60.09,34.758 60.85,35.518 60.85,36.95 61.045,37.145 U1.35@61.95,37.145
  Top Layer w0.3: v1(13.8,33.35) 13.8,34.69 13.35,35.14 U7.16@13.35,36.4 13.35,38.15 v4(14.65,39.45) ; U7.29@16.3,40 16.4,40.1 U7.26@17.71,40.1 ; U7.29@16.6,37.5 U7.22@17.71,37.5 v1(17.71,36.535) ; v1@18.75,40.1 v1(18.8,40.05) ; v1(19.45,35.55) C48.1@19.45,36.8 ; v1(20.5,40.145) 20.595,40.145 20.75,40.3 C41.1@21.7,40.3 22.75,40.3 22.905,40.145 v1(23,40.145) ; v1(22.8,38.99) U9.4@24.525,38.99 ; v1(22.85,35.65) C49.1@22.85,36.8 ; v1(24.525,35.4) U9.6@24.525,36.61 ; U9.1@26.36,36.61 28.44,36.61 v1(28.45,36.6) ; U9.3@26.685,38.99 v1(28.2,38.99) ; v1(29.5,39.3) U8.2@30.7,39.3 ; Q2.1@34.8,58.25 v1(34.8,59.3) ; Q2.4@36.7,56.95 36.95,56.95 36.95,56.05 v1(37.15,55.85) ; R36.1@39.327,28.2 39.327,29.677 v1(39.35,29.7) ; v1(42.227,24.5) 43.584,24.5 U6.4@43.577,24.492 ; v1(42.335,67.075) 42.585,66.825 U2.4@43.21,66.825 43.21,65.8 v1(44.185,64.825) ; U2.9@43.21,62.825 U2.17@43.21,63.85 ; R37.1@44.127,26.592 44.134,26.6 v1(45.4,26.6) ; U2.17@44.51,64.5 U2.14@46.185,64.5 ; U2.17@44.51,65.15 U2.15@46.185,65.15 ; v1(46.3,26.9) 47.2,26.9 47.6,27.3 C20.1@47.6,27 ; v1(46.64,28.3) 46.85,28.3 47.65,29.1 R32.1@47.85,28.9 ; D4.2@50.5,60 v1(51.8,60) ; v1(54.4,60) D5.2@55.7,60 ; R15.1@58.8,27.65 v1(58.8,28.85) ; C4.1@59.15,34.15 C4.1@59.5,34.5 ; C5.1@63.718,45.515 C5.1@63.718,45.665 63.95,45.433 U1.23@63.95,43.645 ; U1.47@68.45,35.145 68.45,34.277 69.49,33.237 69.49,32.712 69.95,32.252 69.95,32.145 70.2,31.895 C3.1@70.3,31.895 C2.1@71.9,31.895 ; U1.8@70.45,40.145 C10.2@75.995,40.145 ; C1.1@75.8,32.345 v1(77,32.345)
  Top Layer w0.4: U7.29@15.2,40 U7.29@16.3,40 ; U7.29@16.3,37.8 U7.29@16.6,37.5 ; C31.1@19.6,45.4 20,45.8 v1(20.75,45.8) C35.2@20.75,44.7 ; C30.1@20.85,47 v1(22.1,47) ; C29.1@20.85,48.4 20.88,48.43 v1(22.1,48.43) ; C36.1@22.05,44.7 v1(22.05,45.8) ; C42.1@27.3,42.3 v1(27.3,43.45) ; C43.1@30.7,42.3 v1(30.7,43.45) ; v1(32,28.2) 32.675,28.875 34.102,28.875 34.78,28.196 36.023,28.196 C25.1@36.027,28.192 C26.1@36.027,26.592 36.027,26.492 35.827,26.292 35.827,25.107 35.719,25 v1(34.45,25) ; C37.1@33,42.85 v1(33,44.15) ; R30.1@33.05,55 v1(34.35,55) ; v1(34.327,20.892) C27.1@35.627,20.892 ; v1(34.777,22.85) 35.61,22.85 C28.1@35.627,22.866 ; 34.777,24.9 35.619,24.9 C24.1@35.627,24.892 ; v1(35.25,38.232) C44.1@36.282,38.232 ; v1(36.35,37.15) 36.35,37.218 36.282,37.286 C44.1@36.282,38.232 ; v1(37.15,55.85) 37.8,55.85 R31.1@38.55,55.1 ; v1(37.45,38.232) 36.418,38.232 C44.1@36.35,38.3 C44.1@36.282,38.232 ; v1(38.55,38.232) 38.618,38.232 38.686,38.3 C45.1@39.65,38.3 ; C14.1@38.735,67.125 v1(38.735,68.375) ; C13.1@40.335,67.125 v1(40.335,68.375) ; v1(45.4,24.1) 45.408,24.108 U4.2@46.768,24.108 47.273,24.108 47.678,24.513 47.678,26.922 C20.1@47.6,27 ; v3(45.45,48.85) GND.1@45.45,51.1 46.15,51.1 v3(47.25,50) ; U2.16@46.185,65.8 47.85,65.8 C11.1@48.25,65.4 49.582,65.4 49.682,65.3 v1(49.75,65.3) ; v1(46.2,21.378) C19.1@47.425,21.378 ; D4.2@50.45,59.9 D4.2@50.45,60.05 ; D4.2@50.5,60 D4.2@50.55,60.05 ; R13.1@52.853,24 R13.1@52.675,24.178 v1(53.95,24.178) ; U3.2@54.32,27.016 v1(53.1,27.016) 53.1,28.7 v1(54.05,29.65) C15.1@55.4,29.65 ; C5.1@63.718,45.665 C6.1@63.718,47.165 ; C6.1@63.718,47.165 v1(63.718,48.365) ; v1(65.4,29.85) C16.1@65.4,31.1 ; C2.1@71.95,31.945 v1(73.05,30.845) ; C7.1@75.05,42.245 v1(76.3,42.245) ; C8.1@75.05,43.745 v1(76.3,43.745) ; C10.2@75.995,40.145 C10.2@76.05,40.2
  Top Layer w0.5: 13.2,45.743 12.101,45.743 11.95,45.894 11.95,47.004 11.175,47.779 11.175,48.421 11.921,49.167 11.921,49.621 v1(11.95,49.65) 11.95,51.55 12.4,52 16.916,52 17.425,51.491 17.425,49.329 16.679,48.583 16.679,48.129 v1(16.65,48.1) 16.65,45.85 16.5,45.7 15.25,45.7 ; C9.1@76.05,35.6 79.53,35.6 79.75,35.82 79.75,39.98 79.53,40.2 C10.2@76.05,40.2
  Top Layer w0.8: U2.17@44.51,64.5 v1(44.185,64.825) U2.17@44.51,65.15
  Top Layer w1: 5.6,39.201 ccw(c44.1,39.25) v2(8.965,23.508) ; 5.601,39.052 cw(c44.1,39.25) v2@9.013,55.099 ; v2@8.96,23.486 cw(c6.4,13.2) 16.644,15.925 ; v2@9.013,55.096 ccw(c6.36,65.359) v2@16.916,64.399 ; 16.651,15.807 ccw(c21.05,15.9) 18.941,12.039 ; v2(16.889,64.409) cw(c20.75,62.3) 20.657,66.699 ; 18.951,12.066 cw(c17.991,1.51) v2@28.254,4.163 ; 20.775,66.706 ccw(c18.05,76.95) v2@28.336,74.39 ; v2@28.251,4.163 ccw(c44.1,39.25) 44.298,0.751 ; v2@28.358,74.385 cw(c44.1,39.25) 44.051,77.75 ; 43.902,77.749 cw(c44.1,39.25) v2@59.949,74.337 ; 44.149,0.75 ccw(c44.1,39.25) v2@59.842,4.115 ; v2@59.864,4.11 cw(c70.15,1.55) 67.425,11.794 ; v2@59.946,74.337 ccw(c70.209,76.99) 69.249,66.434 ; 67.543,11.801 ccw(c67.45,16.2) 71.311,14.091 ; 69.259,66.461 cw(c67.15,62.6) v2(71.549,62.693) ; 71.284,14.101 cw(c81.84,13.141) v2@79.187,23.404 ; v2@71.556,62.575 ccw(c81.8,65.3) v2@79.24,55.014 ; v2@79.187,23.401 ccw(c44.1,39.25) 82.599,39.448 ; v2@79.235,54.992 cw(c44.1,39.25) 82.6,39.299
  Bottom Layer w0.2: C34.2@13.15,49.65 C34.2@13.2,49.7
  Bottom Layer w0.35: D8.2@56.164,20.25 v1(56.164,21.714)
  Bottom Layer w0.4: 19.5,45.4 19.6,45.4 ; D1.2@69.025,51.38 v1(70.62,51.38)
  Bottom Layer w0.5: v1(11.95,49.65) C34.2@13.15,49.65 ; C33.1@15.4,48.1 v1(16.65,48.1)
  Bottom Layer w1: 5.6,39.201 ccw(c44.1,39.25) v2(8.965,23.508) ; 5.601,39.052 cw(c44.1,39.25) v2@9.013,55.099 ; v2@8.96,23.486 cw(c6.4,13.2) 16.644,15.925 ; v2@9.003,55.137 ccw(c6.35,65.4) v2@16.906,64.44 ; 16.651,15.807 ccw(c21.05,15.9) 18.941,12.039 ; v2(16.889,64.409) cw(c20.75,62.3) 20.657,66.699 ; 18.91,12.056 cw(c17.95,1.5) v2@28.213,4.153 ; 20.775,66.706 ccw(c18.05,76.95) v2@28.336,74.39 ; v2@28.251,4.163 ccw(c44.1,39.25) 44.298,0.751 ; v2@28.358,74.385 cw(c44.1,39.25) 44.051,77.75 ; 43.902,77.749 cw(c44.1,39.25) v2@59.949,74.337 ; 44.149,0.75 ccw(c44.1,39.25) v2@59.842,4.115 ; v2@59.864,4.11 cw(c70.15,1.55) 67.425,11.794 ; v2@59.987,74.347 ccw(c70.25,77) 69.29,66.444 ; 67.543,11.801 ccw(c67.45,16.2) 71.311,14.091 ; 69.259,66.461 cw(c67.15,62.6) v2(71.549,62.693) ; 71.294,14.06 cw(c81.85,13.1) v2@79.197,23.363 ; v2@71.556,62.575 ccw(c81.8,65.3) v2@79.24,55.014 ; v2@79.187,23.401 ccw(c44.1,39.25) 82.599,39.448 ; v2@79.235,54.992 cw(c44.1,39.25) 82.6,39.299
  other v1: 43.1,3.7 32.25,6.7 33.775,6.7 35.275,6.7 36.775,6.7 38.275,6.7 39.775,6.7 47.65,6.7 49.175,6.7 50.675,6.7 52.175,6.7 53.675,6.7 55.175,6.7 75.05,25.3 76.55,25.3 21,25.6 22.525,25.6 24.025,25.6 25.525,25.6 27.025,25.6 28.525,25.6 76.4,27.45 78,27.45 65.25,27.8 23.85,28.35 25.35,28.35 26.85,28.35 28.35,28.35 70.65,28.426 76.4,28.8 78,28.8 23.85,30.075 25.35,30.075 26.85,30.075 28.35,30.075 70.65,30.15 76.4,30.3 78,30.3 50.8,32.252 52.3,32.252 17.75,33.02 50.8,33.75 52.3,33.75 35.1,34.7 36.6,34.7 38.1,34.7 39.6,34.7 41.125,34.7 42.625,34.7 44.125,34.7 45.625,34.7 47.125,34.7 26.7,35.3 77.15,35.6 79.75,35.7 20.6,36.6 21.75,36.6 29.55,36.6 66.646,36.65 30.7,37.4 31.75,37.4 67.9,37.4 79.75,37.9 34,38.232 21.4,39 49.125,39.6 50.85,39.6 25.8,40.2 77.15,40.2 79.7,40.2 35.545,40.45 37.045,40.45 38.545,40.45 64.1,40.85 49.125,41.1 50.85,41.1 66.25,41.25 31.85,41.3 79.5,41.966 23.1,42.5 24.6,42.5 26.1,42.5 49.125,42.6 50.85,42.6 61.95,43.25 79.5,43.4 29,43.55 39.627,44.1 41.127,44.1 42.627,44.1 44.127,44.1 45.85,44.1 47.35,44.1 49.125,44.1 50.85,44.1 24.65,44.85 26.15,44.85 77.6,45.35 78.95,45.35 24.65,45.95 26.15,45.95 76.3,46.45 36.158,47.35 76.3,47.9 26.95,48 28.45,48 29.95,48 31.45,48 36.158,49.1 52.65,49.7 19.15,50.45 20.9,50.45 19.15,51.75 20.9,51.75 62.187,52.061 26.75,53.75 28.25,53.75 29.75,53.75 31.25,53.75 32.75,53.75 34.25,53.75 35.75,53.75 52.65,53.85 58.733,54.317 48.9,63.3 52.475,64.427 54.7,64.427 34.85,65.05 36.575,65.05 52.475,65.927 54.7,65.927 34.85,66.55 36.575,66.55 52.475,67.427 54.7,67.427 34.85,68.05 36.575,68.05 50.323,68.927 52.475,68.927 54.7,68.927 34.85,69.55 36.575,69.55 38.05,69.65 39.55,69.65 50.323,70.427 52.475,70.427 54.7,70.427 34.85,71.05 36.575,71.05 52.475,71.927 54.7,71.927 34.85,72.55 36.575,72.55 52.475,73.427 54.7,73.427 34.85,74.05 36.575,74.05
  other v2: 42.815,0.8 47.5,0.9 37.5,1.3 52.3,1.65 32.773,2.45 56.1,2.65 59.8,4.15 28.35,4.2 61.9,8.25 26.05,8.4 64.85,10.75 22,11.3 69.75,12.45 17.45,13.4 71.65,16 15.65,18.4 74.05,20.4 13.1,21.45 79.15,23.5 7.465,27.208 80.9,27.923 6.465,31.008 82.05,32.65 5.715,35.808 82.55,37.965 5.615,40.493 82.45,42.65 6.115,45.808 81.7,47.45 7.265,50.535 80.7,51.25 79.2,54.95 9.015,54.958 12.75,56.9 74.25,57.85 15.4,59.9 21.35,66.85 66.45,67.1 25.7,69.65 62.3,69.9 59.877,74.3 28.427,74.35 32.127,75.85 55.454,76.05 35.927,76.85 50.727,77.2 40.727,77.6 45.412,77.7
  other v3: 44.6,20.45 74.5,28.65 46.25,29.924 35.545,44.1 37.8,44.1 36.6,63 56.3,63.05
  other v4: 13.05,38.15 14.66,38.16 16.23,38.16 13.05,39.45 16.23,39.46 13.05,40.76 14.65,40.77 16.23,40.77